# Altium PCB MJVESC_MINI4_VER02.PcbDoc (part 1 of 2)
Units mm, origin at the board's own origin, x right, y up, seen from the top; angles counter-clockwise.
Board outline 32 x 70 mm, 4 copper layers (Top Layer, Mid Layer 1, Mid Layer 2, Bottom Layer), stack 1.63 mm thick; 141 components, 105 nets, 518 pads, 668 vias.
Unrouted connection lines stored in the file: 6.
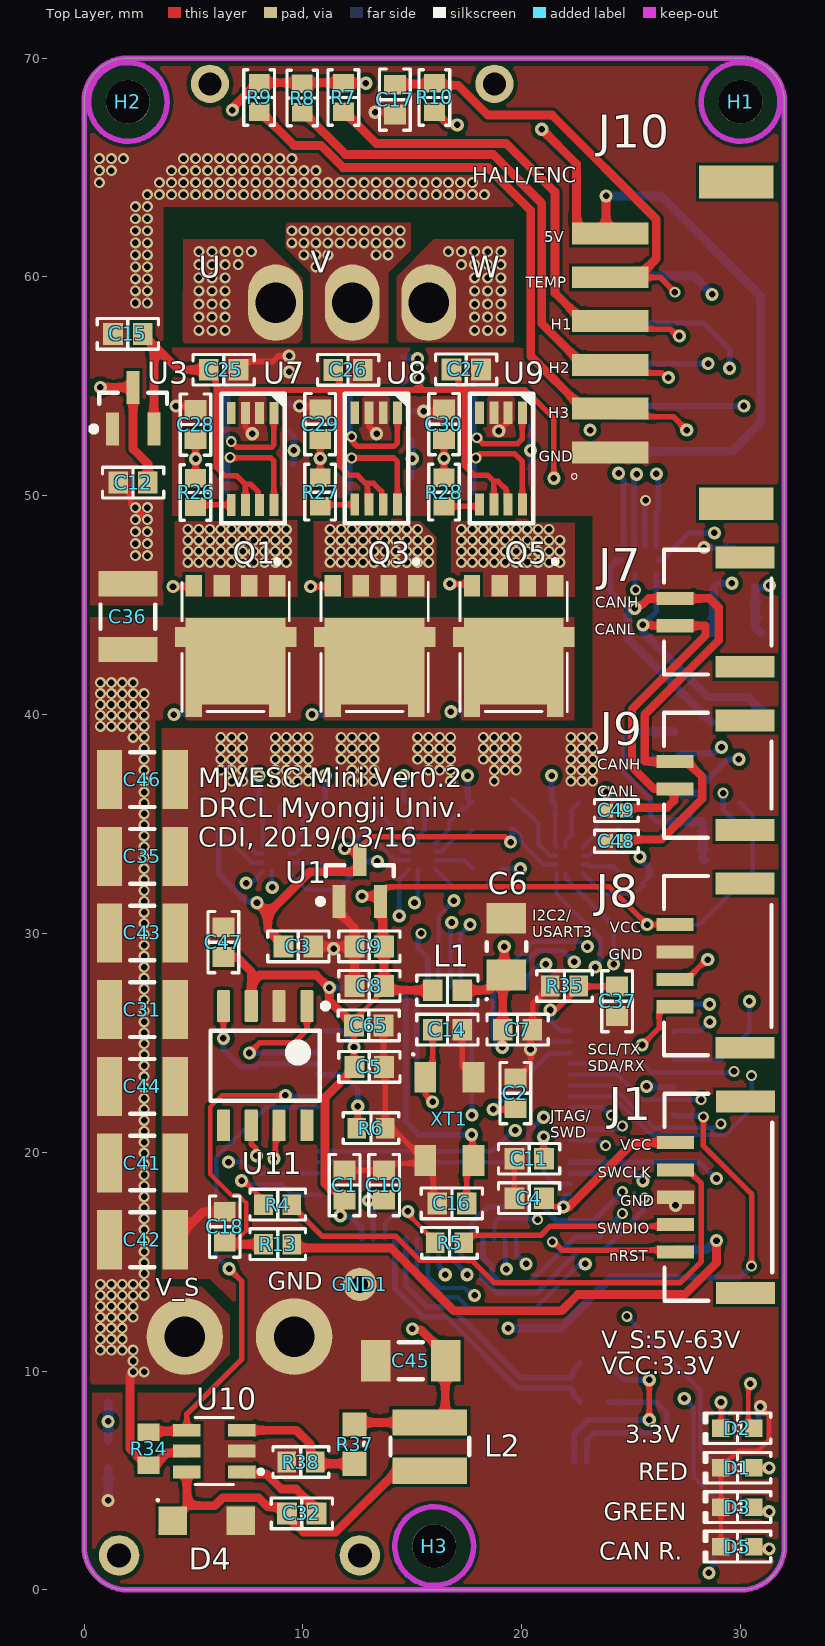
[diagram p0: Top Layer view]
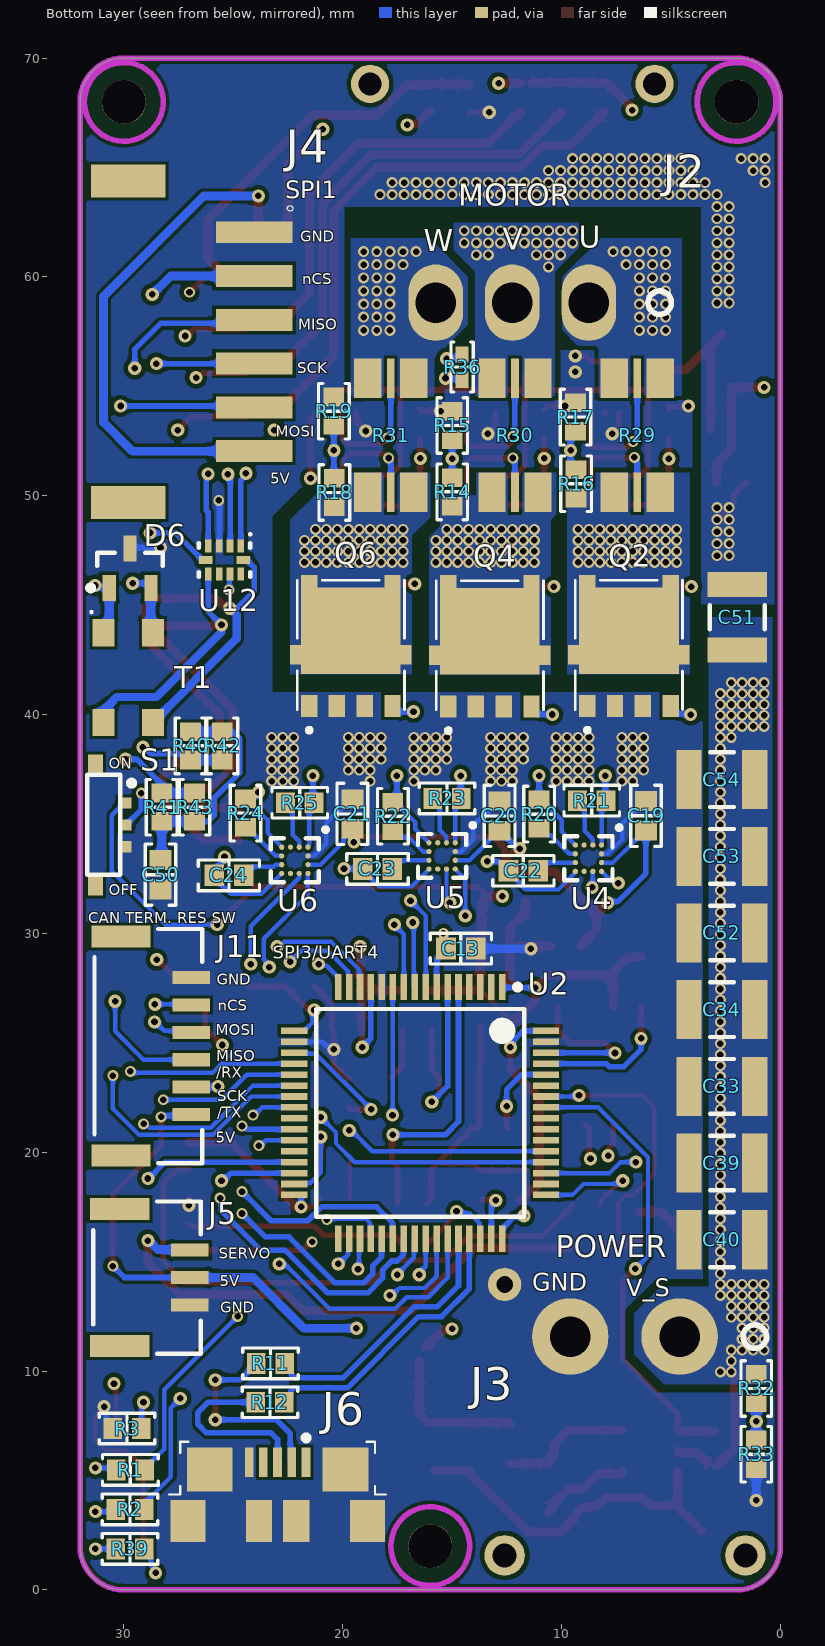
[diagram p1: Bottom Layer view, seen from below]
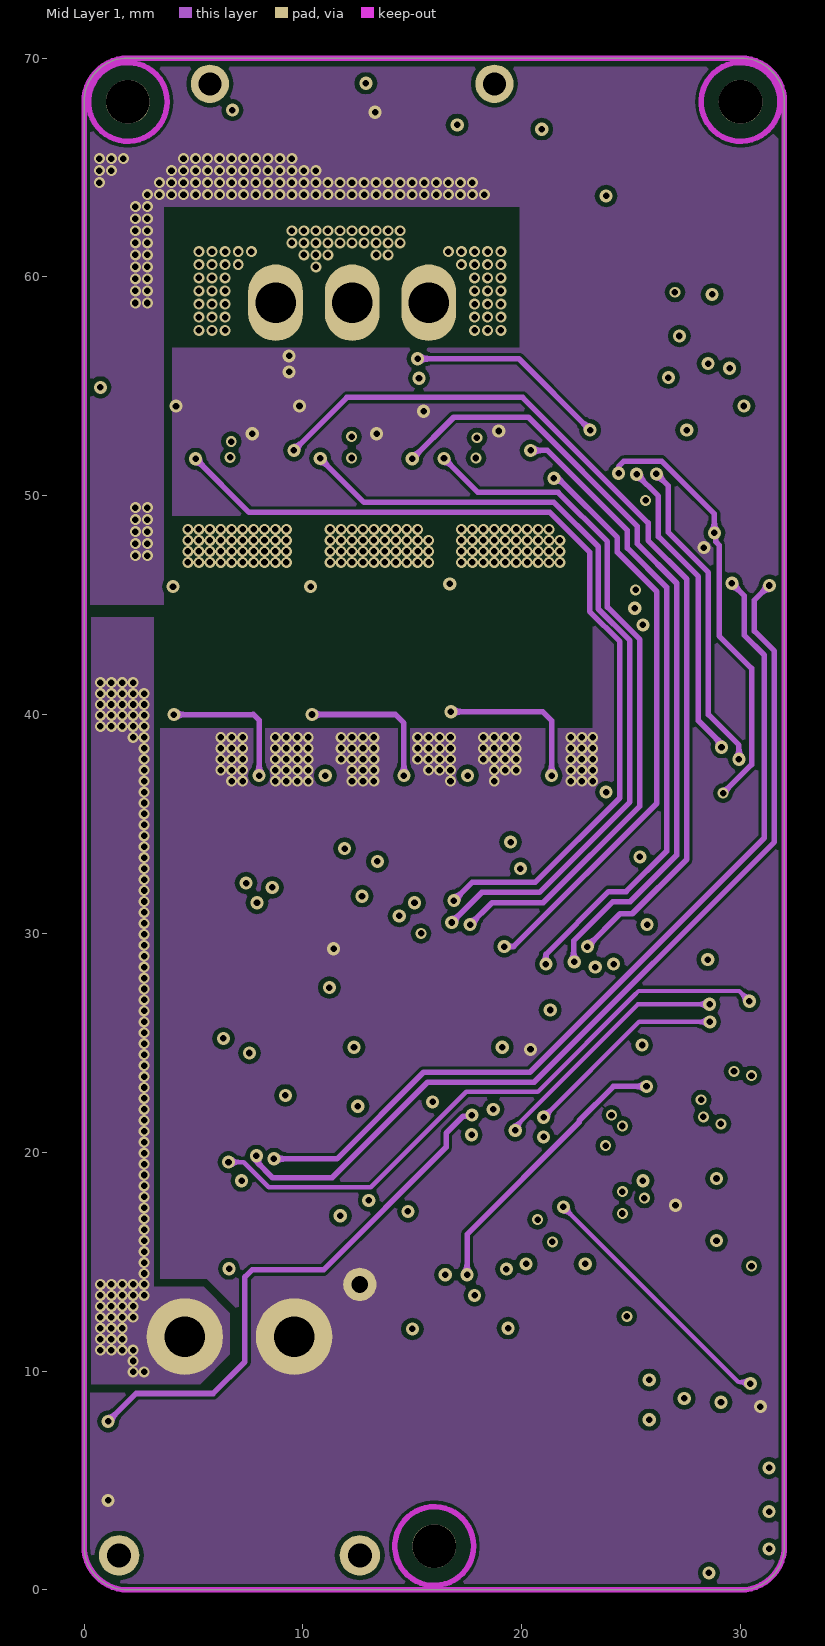
[diagram p2: Mid Layer 1]
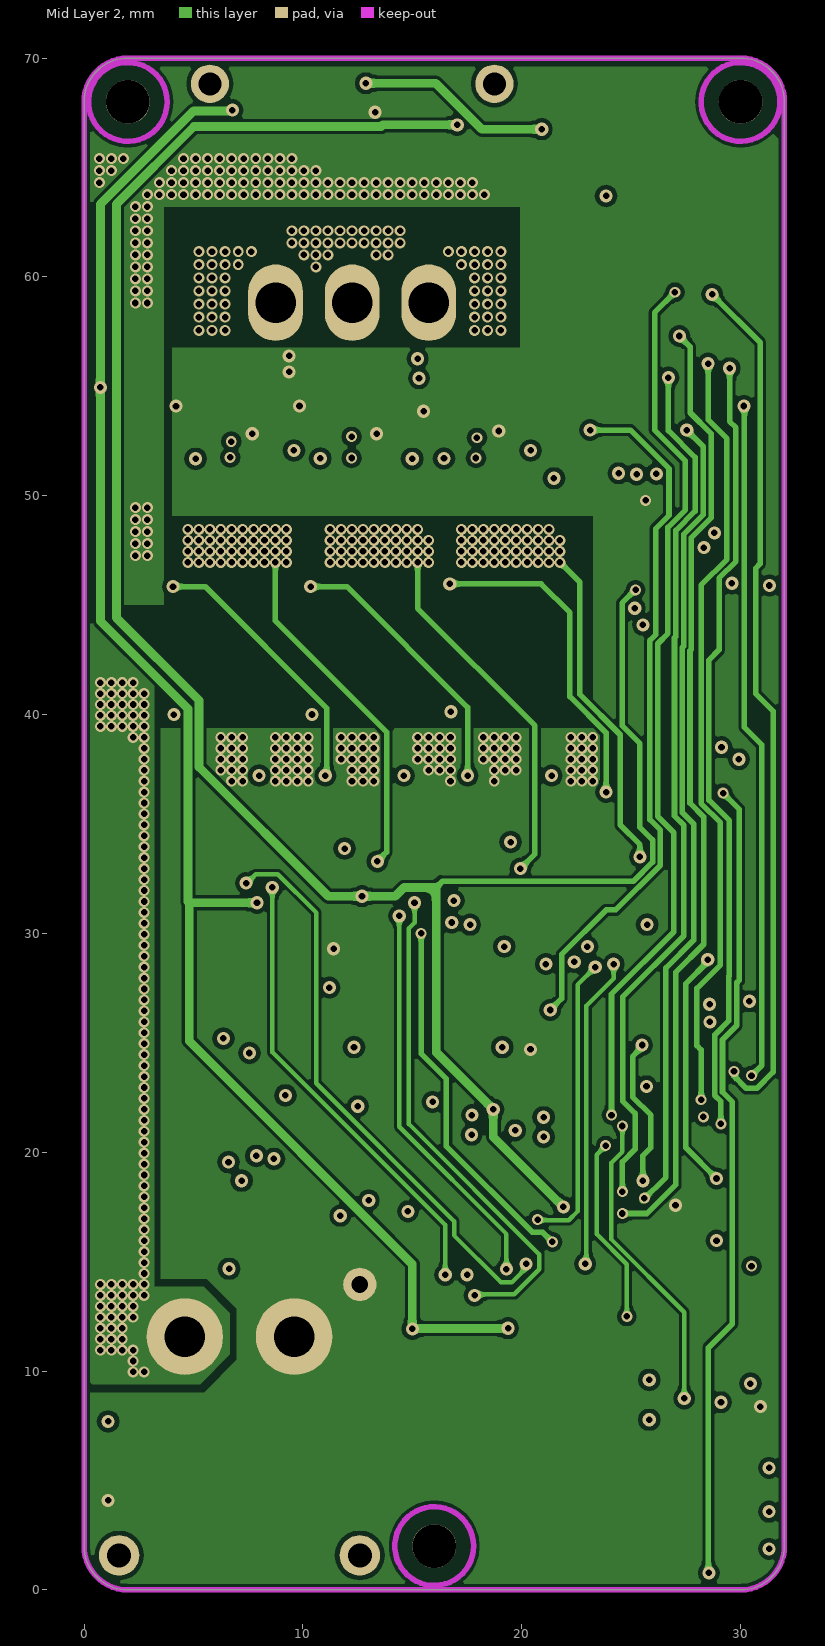
[diagram p3: Mid Layer 2]
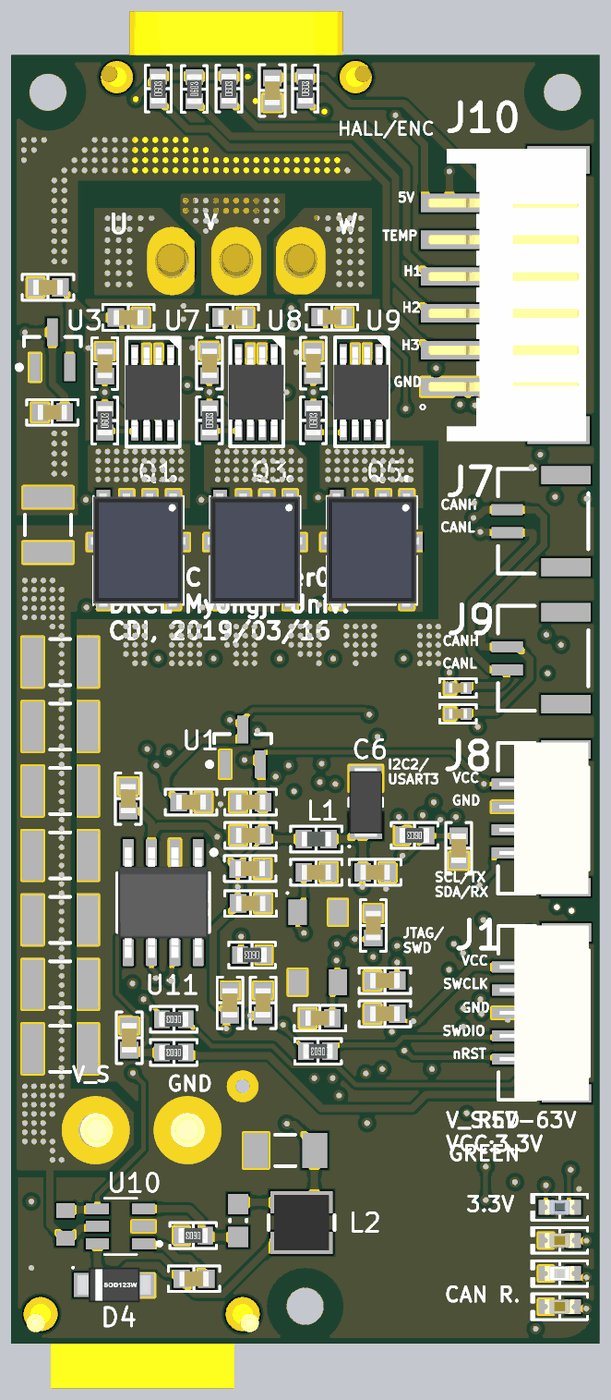
[diagram p5: 3D render of the assembled board from above, using the file's embedded part models]
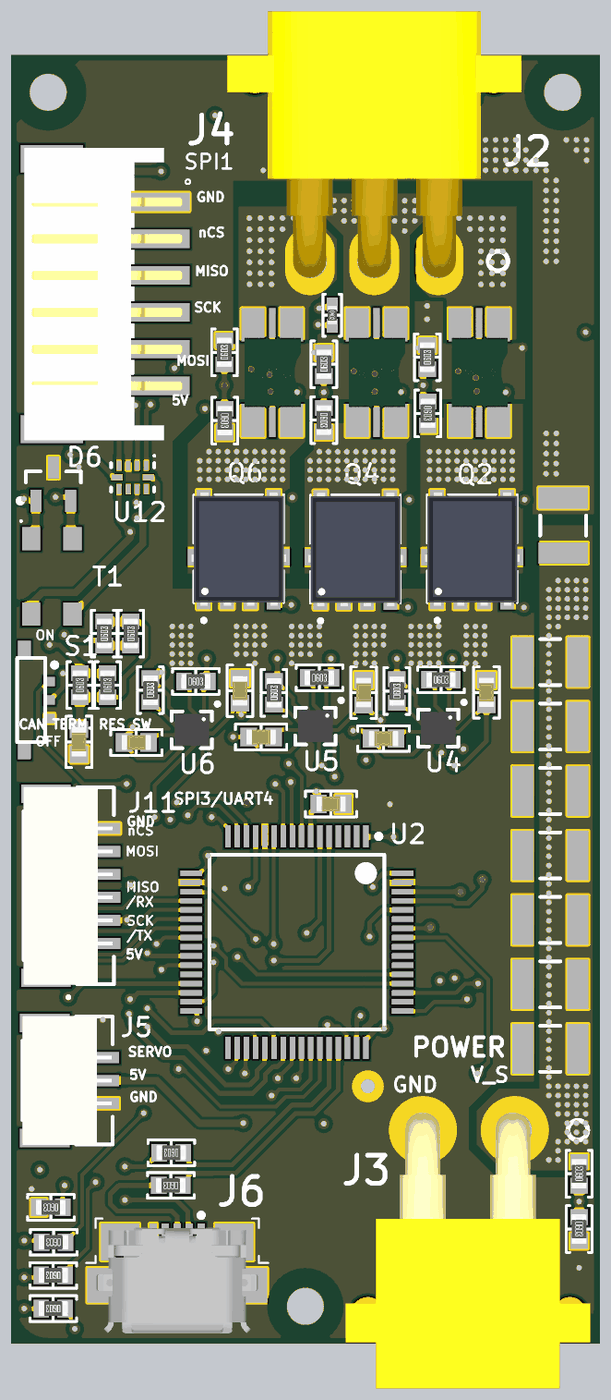
[diagram p6: 3D render of the assembled board from below, using the file's embedded part models]

## Layer stack, top to bottom
Top Solder: solder mask 0.0102, Solder Resist, Dk 3.5
Top Layer: signal copper 0.07
Dielectric 1: core 0.45, FR-4, Dk 4.2
Mid Layer 1: signal copper 0.07
Dielectric 3: prepreg 0.45, FR-4, Dk 4.2
Mid Layer 2: signal copper 0.07
Dielectric 2: core 0.45, FR-4, Dk 4.2
Bottom Layer: signal copper 0.07
Bottom Solder: solder mask 0.0102, Solder Resist, Dk 3.5

## Board outline
0,2 0,68 cw(c2,68) 2,70 30,70 cw(c30,68) 32,68 32,2 cw(c30,2) 30,0 2,0 cw(c2,2)

## Design rules (kind name [scope] priority, off if disabled: settings)
Clearance [All] p1: gap=0.15 ignorepadtopadclearanceinfootprint=FALSE except(0: Arc-Hole Track-Hole SMDPad-Hole THPad-Hole Via-Hole Fill-Hole Poly-Hole Region-Hole Text-Hole; 0.1: Arc-Arc Arc-Track Track-Track; 0.203: THPad-Via THPad-Fill THPad-Poly THPad-Region THPad-Text Via-Via Via-Fill Via-Poly Via-Region Via-Text Fill-Fill Fill-Poly Fill-Region Fill-Text Poly-Poly Poly-Region Poly-Text Region-Region Region-Text Text-Text)
DiffPairsRouting [All] p1: maxlimit=0.254 minlimit=0.203 mostfreqgap=0.203 toplayer_minwidth=0.203 toplayer_maxwidth=0.381 toplayer_prefwidth=0.254 midlayer1_minwidth=0.203 midlayer1_maxwidth=0.381 midlayer1_prefwidth=0.254 midlayer2_minwidth=0.203 midlayer2_maxwidth=0.381 midlayer2_prefwidth=0.254 bottomlayer_minwidth=0.203 bottomlayer_maxwidth=0.381 bottomlayer_prefwidth=0.254 maxuncoupledlength=12.7
HoleToHoleClearance [All] p1: gap=0.2 allowstackedmicrovias=TRUE
MinimumSolderMaskSliver [All] p1: minsoldermaskwidth=0.04
PolygonConnect "PolygonConnect - V_SUPPLY" [InNet('V_SUPPLY')] p1: connectstyle=Direct reliefconductorwidth=0.254 reliefentries=4 polygonreliefangle="90 Angle" airgapwidth=0.254
PolygonConnect "PolygonConnect - PH_A" [InNet('PH_A')] p2: connectstyle=Direct reliefconductorwidth=0.254 reliefentries=4 polygonreliefangle="90 Angle" airgapwidth=0.254
PolygonConnect "PolygonConnect - PH_B" [InNet('PH_B')] p3: connectstyle=Direct reliefconductorwidth=0.254 reliefentries=4 polygonreliefangle="90 Angle" airgapwidth=0.254
PolygonConnect "PolygonConnect - PH_C" [InNet('PH_C')] p4: connectstyle=Direct reliefconductorwidth=0.254 reliefentries=4 polygonreliefangle="90 Angle" airgapwidth=0.254
PolygonConnect "PolygonConnect - SH_A" [InNet('SH_A')] p5: connectstyle=Direct reliefconductorwidth=0.254 reliefentries=4 polygonreliefangle="90 Angle" airgapwidth=0.254
PolygonConnect "PolygonConnect - SH_B" [InNet('SH_B')] p6: connectstyle=Direct reliefconductorwidth=0.254 reliefentries=4 polygonreliefangle="90 Angle" airgapwidth=0.254
PolygonConnect "PolygonConnect - SH_C" [InNet('SH_C')] p7: connectstyle=Direct reliefconductorwidth=0.254 reliefentries=4 polygonreliefangle="90 Angle" airgapwidth=0.254
PolygonConnect "PolygonConnect - GND" [InNet('GND')] p8: connectstyle=Direct reliefconductorwidth=0.254 reliefentries=4 polygonreliefangle="90 Angle" airgapwidth=0.254
PolygonConnect [All] p9: connectstyle=Relief reliefconductorwidth=0.254 reliefentries=4 polygonreliefangle="90 Angle" airgapwidth=0.254
RoutingVias [All] p1: holewidth=0.711 width=1.27 viastyle="Through Hole" minholewidth=0.711 minwidth=1.27 maxholewidth=0.711 maxwidth=1.27 useviatemplates=TRUE viatemplateguid#1={E9436BD1-13F7-4C98-9D88-E682A00B4276} viatemplateguid#2={71A7F2C0-58A9-449A-8920-8A32779CAC4B} viatemplatename#1=v60h30m0mx0 viatemplatename#2=v50h20m0mx0
SilkToSilkClearance [All] p1 off: silktosilkclearance=0.254
SilkToSolderMaskClearance [IsPad] p1 off: minsilkscreentomaskgap=0.1 clearancetoexposedcopper=TRUE
SolderMaskExpansion [All] p1: expansion=0.102
Width [All] p1: maxlimit=0.4 minlimit=0.203 preferedwidth=0.254
25 further rules are at their usual default settings.

## Classes and differential pairs
component class mcu: C1 C2 C3 C4 C5 C6 C7 C8 C9 C10 C11 C12 C13 C14 C15 C16 C17 C18 C65 D1 D2 D3 GND1 J1 J2 J3 J4 J5 J6 J7 J8 J9 J10 J11 L1 R1 R2 R3 R4 R5 R6 R7 R8 R9 R10 R11 R12 R13 U1 U2 U3 XT1
component class DRV8301: C19 C20 C21 C22 C23 C24 C25 C26 C27 C28 C29 C30 C31 C32 C33 C34 C35 C36 C37 C39 C40 C41 C42 C43 C44 C45 C46 C51 C52 C53 C54 D4 H1 H2 H3 L2 Q1 Q2 Q3 Q4 Q5 Q6 R14 R15 R16 R17 R18 R19 R20 R21 R22 R23 R24 R25 R26 R27 R28 R29 R30 R31 R32 R33 R34 R35 R36 R37 R38 U4 U5 U6 U7 U8 U9 U10
component class CAN: C47 C48 C49 C50 D5 D6 R39 R40 R41 R42 R43 S1 T1 U11 U12
differential pair CANHL: +CANHL_P -CANHL_N
differential pair USB_D: +USB_D_P -USB_D_N
differential pair CAN: +CAN_P -CAN_N
differential pair CAN_TRES: +CAN_TRES_P -CAN_TRES_N

## Components (designator, comment, footprint, x,y, rotation, side; value= is the part's Value field where it differs from the comment)
C1 "0.10µF" "CAP 0603/1608" 11.908,18.5 r270 top
C2 "0.10µF" "CAP 0603/1608" 19.708,22.7 r90 top
C3 "2.2µF" "CAP 0603/1608" 9.79,29.409 r180 top
C4 "0.10µF" "CAP 0603/1608" 20.342,17.9 r0 top
C5 "0.10µF" "CAP 0603/1608" 13.033,23.9 r0 top
C6 "1uF" CAPMP3217X18-T_V 19.3,29.4 r90 top
C7 "0.10µF" "CAP 0603/1608" 19.808,25.6 r0 top
C8 "2.2µF" "CAP 0603/1608" 13.033,27.604 r0 top
C9 "2.2µF" "CAP 0603/1608" 13.031,29.409 r0 top
C10 "2.2µF" "CAP 0603/1608" 13.712,18.5 r270 top
C11 "2.2µF" "CAP 0603/1608" 20.342,19.704 r0 top
C12 "2.2µF" "CAP 0603/1608" 2.24,50.6 r0 top
C13 "0.10µF" "CAP 0603/1608" 14.6,29.302 r0 bottom
C14 "10pF" "CAP 0603/1608" 16.604,25.6 r0 top
C15 "2.2µF" "CAP 0603/1608" 2,57.4 r0 top
C16 "10pF" "CAP 0603/1608" 16.808,17.666 r180 top
C17 "0.10µF" "CAP 0603/1608" 14.204,68.1 r90 top
C18 "0.1uF" "CAP 0603/1608" 6.427,16.6 r90 top
C19 "2.2µF" "CAP 0603/1608" 6.139,35.376 r90 bottom
C20 "2.2µF" "CAP 0603/1608" 12.827,35.367 r90 bottom
C21 "2.2µF" "CAP 0603/1608" 19.558,35.46 r90 bottom
C22 "0.10µF" "CAP 0603/1608" 11.745,32.863 r180 bottom
C23 "0.10µF" "CAP 0603/1608" 18.411,32.948 r180 bottom
C24 "0.10µF" "CAP 0603/1608" 25.2,32.656 r180 bottom
C25 "2.2µF" "CAP 0603/1608" 6.378,55.759 r180 top
C26 "2.2µF" "CAP 0603/1608" 12.064,55.753 r180 top
C27 "2.2µF" "CAP 0603/1608" 17.462,55.774 r180 top
C28 "4.7nF" "CAP 0603/1608" 5.094,53.254 r90 top
C29 "4.7nF" "CAP 0603/1608" 10.79,53.269 r90 top
C30 "4.7nF" "CAP 0603/1608" 16.446,53.269 r90 top
C31 "CAP 10uF 100V 1210(3225)" CAPC1210(3225)280_N 2.667,26.515 r0 top value=10uF
C32 "220nF" "CAP 0603/1608" 9.949,3.498 r0 top
C33 "CAP 10uF 100V 1210(3225)" CAPC1210(3225)280_N 2.667,23.011 r0 bottom value=10uF
C34 "CAP 10uF 100V 1210(3225)" CAPC1210(3225)280_N 2.667,26.515 r0 bottom value=10uF
C35 "CAP 10uF 100V 1210(3225)" CAPC1210(3225)280_N 2.667,33.523 r0 top value=10uF
C36 "CAP 10uF 100V 1210(3225)" CAPC1210(3225)280_N 2,44.48 r90 top value=10uF
C37 "2.2µF" "CAP 0603/1608" 24.359,26.9 r90 top
C39 "CAP 10uF 100V 1210(3225)" CAPC1210(3225)280_N 2.667,19.506 r0 bottom value=10uF
C40 "CAP 10uF 100V 1210(3225)" CAPC1210(3225)280_N 2.667,16.002 r0 bottom value=10uF
C41 "CAP 10uF 100V 1210(3225)" CAPC1210(3225)280_N 2.667,19.506 r0 top value=10uF
C42 "CAP 10uF 100V 1210(3225)" CAPC1210(3225)280_N 2.667,16.002 r0 top value=10uF
C43 "CAP 10uF 100V 1210(3225)" CAPC1210(3225)280_N 2.667,30.019 r0 top value=10uF
C44 "CAP 10uF 100V 1210(3225)" CAPC1210(3225)280_N 2.667,23.011 r0 top value=10uF
C45 "10uF" CAPC1206(3216)190_M 14.925,10.475 r0 top
C46 "CAP 10uF 100V 1210(3225)" CAPC1210(3225)280_N 2.667,37.028 r0 top value=10uF
C47 "2.2µF" "CAP 0603/1608" 6.364,29.6 r270 top
C48 "100pF" "CAP 0402/1005" 24.32,34.213 r0 top
C49 "100pF" "CAP 0402/1005" 24.32,35.617 r180 top
C50 "4.7nF" "CAP 0603/1608" 28.325,32.684 r270 bottom
C51 "CAP 10uF 100V 1210(3225)" CAPC1210(3225)280_N 1.968,44.447 r90 bottom value=10uF
C52 "CAP 10uF 100V 1210(3225)" CAPC1210(3225)280_N 2.667,30.019 r0 bottom value=10uF
C53 "CAP 10uF 100V 1210(3225)" CAPC1210(3225)280_N 2.667,33.523 r0 bottom value=10uF
C54 "CAP 10uF 100V 1210(3225)" CAPC1210(3225)280_N 2.667,37.028 r0 bottom value=10uF
C65 "0.10µF" "CAP 0603/1608" 13.008,25.8 r180 top
D1 "Red" "LED 0603/1608 RED" 29.854,5.584 r180 top
D2 "Blue" "LED 0603/1608 BLUE" 29.854,7.388 r180 top
D3 "Green" "LED 0603/1608 GREEN" 29.854,3.779 r180 top
D4 "PMEG6020AELR" SOD123W 5.602,3.162 r0 top
D5 "Red" "LED 0603/1608 RED" 29.854,1.975 r180 top
D6 "Bidirectional Symmetric TVS" SOT23-3L 29.718,46.689 r90 bottom
GND1 "TESTPOINT" TestPin 12.598,13.96 r90 top
H1 "Hole" M2-HOLE 30,68 r0 top
H2 "Hole" M2-HOLE 2,68 r0 top
H3 "Hole" M2-HOLE 16,2 r0 top
J1 "JTAG/SWD" "JST SM05B-GHS-TB" 28.9,17.946 r270 top
J2 "MOTOR" "MR30PW - MIRROR" 15.75,58.825 r180 bottom
J3 "POWER" "XT30PW - MIRROR" 9.6,11.575 r180 bottom
J4 "SPI1" JST_S6B-PH-SM4-TB 24.05,57.039 r90 bottom
J5 "SPI3/UART4" "JST SM06B-GHS-TB" 28.8,24.854 r90 bottom
J6 "ZX62R-B-5P" HIRO-ZX62R-B-5P_V 22.975,4.487 r180 bottom
J7 "CAN" "JST SM02B-GHS-TB" 28.875,44.684 r270 top
J8 "I2C/UART3" "JST SM04B-GHS-TB" 28.874,28.526 r270 top
J9 "CAN" "JST SM02B-GHS-TB" 28.875,37.23 r270 top
J10 "HALL/ENC" JST_S6B-PH-SM4-TB 24.05,56.984 r270 top
J11 "SERVO" "JST SM03B-GHS-TB" 28.861,14.275 r90 bottom
L1 "Ferrite Beads 600ohm" "FER 0603/1608" 16.604,27.404 r180 top value=10mH
L2 "22uH" 74438335220 15.8,6.55 r90 top
Q1 "NTMFS5C604NLT1G" DFN500X600X110-5N 6.921,43.091 r180 top
Q2 "NTMFS5C604NLT1G" DFN500X600X110-5N 6.921,43.188 r180 bottom
Q3 "NTMFS5C604NLT1G" DFN500X600X110-5N 13.275,43.091 r180 top
Q4 "NTMFS5C604NLT1G" DFN500X600X110-5N 13.275,43.168 r180 bottom
Q5 "NTMFS5C604NLT1G" DFN500X600X110-5N 19.63,43.091 r180 top
Q6 "NTMFS5C604NLT1G" DFN500X600X110-5N 19.63,43.188 r180 bottom
R1 "220R" "RES 0603/1608" 29.704,5.484 r0 bottom
R2 "220R" "RES 0603/1608" 29.722,3.679 r0 bottom
R3 "1k" "RES 0603/1608" 29.854,7.375 r0 bottom
R4 "22R" "RES 0603/1608" 8.848,17.604 r180 top
R5 "22R" "RES 0603/1608" 16.7,15.862 r180 top
R6 "47K" "RES 0603/1608" 13.108,21.1 r180 top
R7 "2k2" "RES 0603/1608" 11.85,68.2 r90 top
R8 "2k2" "RES 0603/1608" 9.969,68.175 r90 top
R9 "2k2" "RES 0603/1608" 8,68.2 r90 top
R10 "10K" "RES 0603/1608" 16.008,68.2 r90 top
R11 "22R" "RES 0603/1608" 23.3,10.35 r0 bottom
R12 "22R" "RES 0603/1608" 23.325,8.575 r0 bottom
R13 "100R" "RES 0603/1608" 8.848,15.8 r180 top
R14 "39k" "RES 0603/1608" 14.994,50.179 r270 bottom
R15 "2k2" "RES 0603/1608" 14.994,53.213 r90 bottom
R16 "39k" "RES 0603/1608" 9.334,50.546 r270 bottom
R17 "2k2" "RES 0603/1608" 9.364,53.594 r90 bottom
R18 "39k" "RES 0603/1608" 20.383,50.15 r270 bottom
R19 "2k2" "RES 0603/1608" 20.405,53.863 r90 bottom
R20 "2R 1% 0603(1608)" "RES 0603/1608" 11.023,35.451 r90 bottom
R21 "2R 1% 0603(1608)" "RES 0603/1608" 8.618,36.065 r180 bottom
R22 "2R 1% 0603(1608)" "RES 0603/1608" 17.711,35.353 r90 bottom
R23 "2R 1% 0603(1608)" "RES 0603/1608" 15.231,36.17 r180 bottom
R24 "2R 1% 0603(1608)" "RES 0603/1608" 24.442,35.498 r90 bottom
R25 "2R 1% 0603(1608)" "RES 0603/1608" 21.962,35.97 r180 bottom
R26 "100R" "RES 0603/1608" 5.094,50.15 r90 top
R27 "100R" "RES 0603/1608" 10.79,50.165 r90 top
R28 "100R" "RES 0603/1608" 16.446,50.165 r90 top
R29 "2mOhm" CSS2H-2512K-2L00F 6.54,52.765 r90 bottom
R30 "2mOhm" CSS2H-2512K-2L00F 12.128,52.765 r90 bottom
R31 "2mOhm" CSS2H-2512K-2L00F 17.798,52.765 r90 bottom
R32 "39k" "RES 0603/1608" 1.1,9.204 r90 bottom
R33 "2k2" "RES 0603/1608" 1.1,6.2 r270 bottom
R34 "100K" RESC1608X55X25ML10T15 2.95,6.45 r90 top
R35 "10K" "RES 0603/1608" 21.954,27.6 r180 top